# Allegro board 1010260-900-0012_PCB_Rev-a.brd (continued)
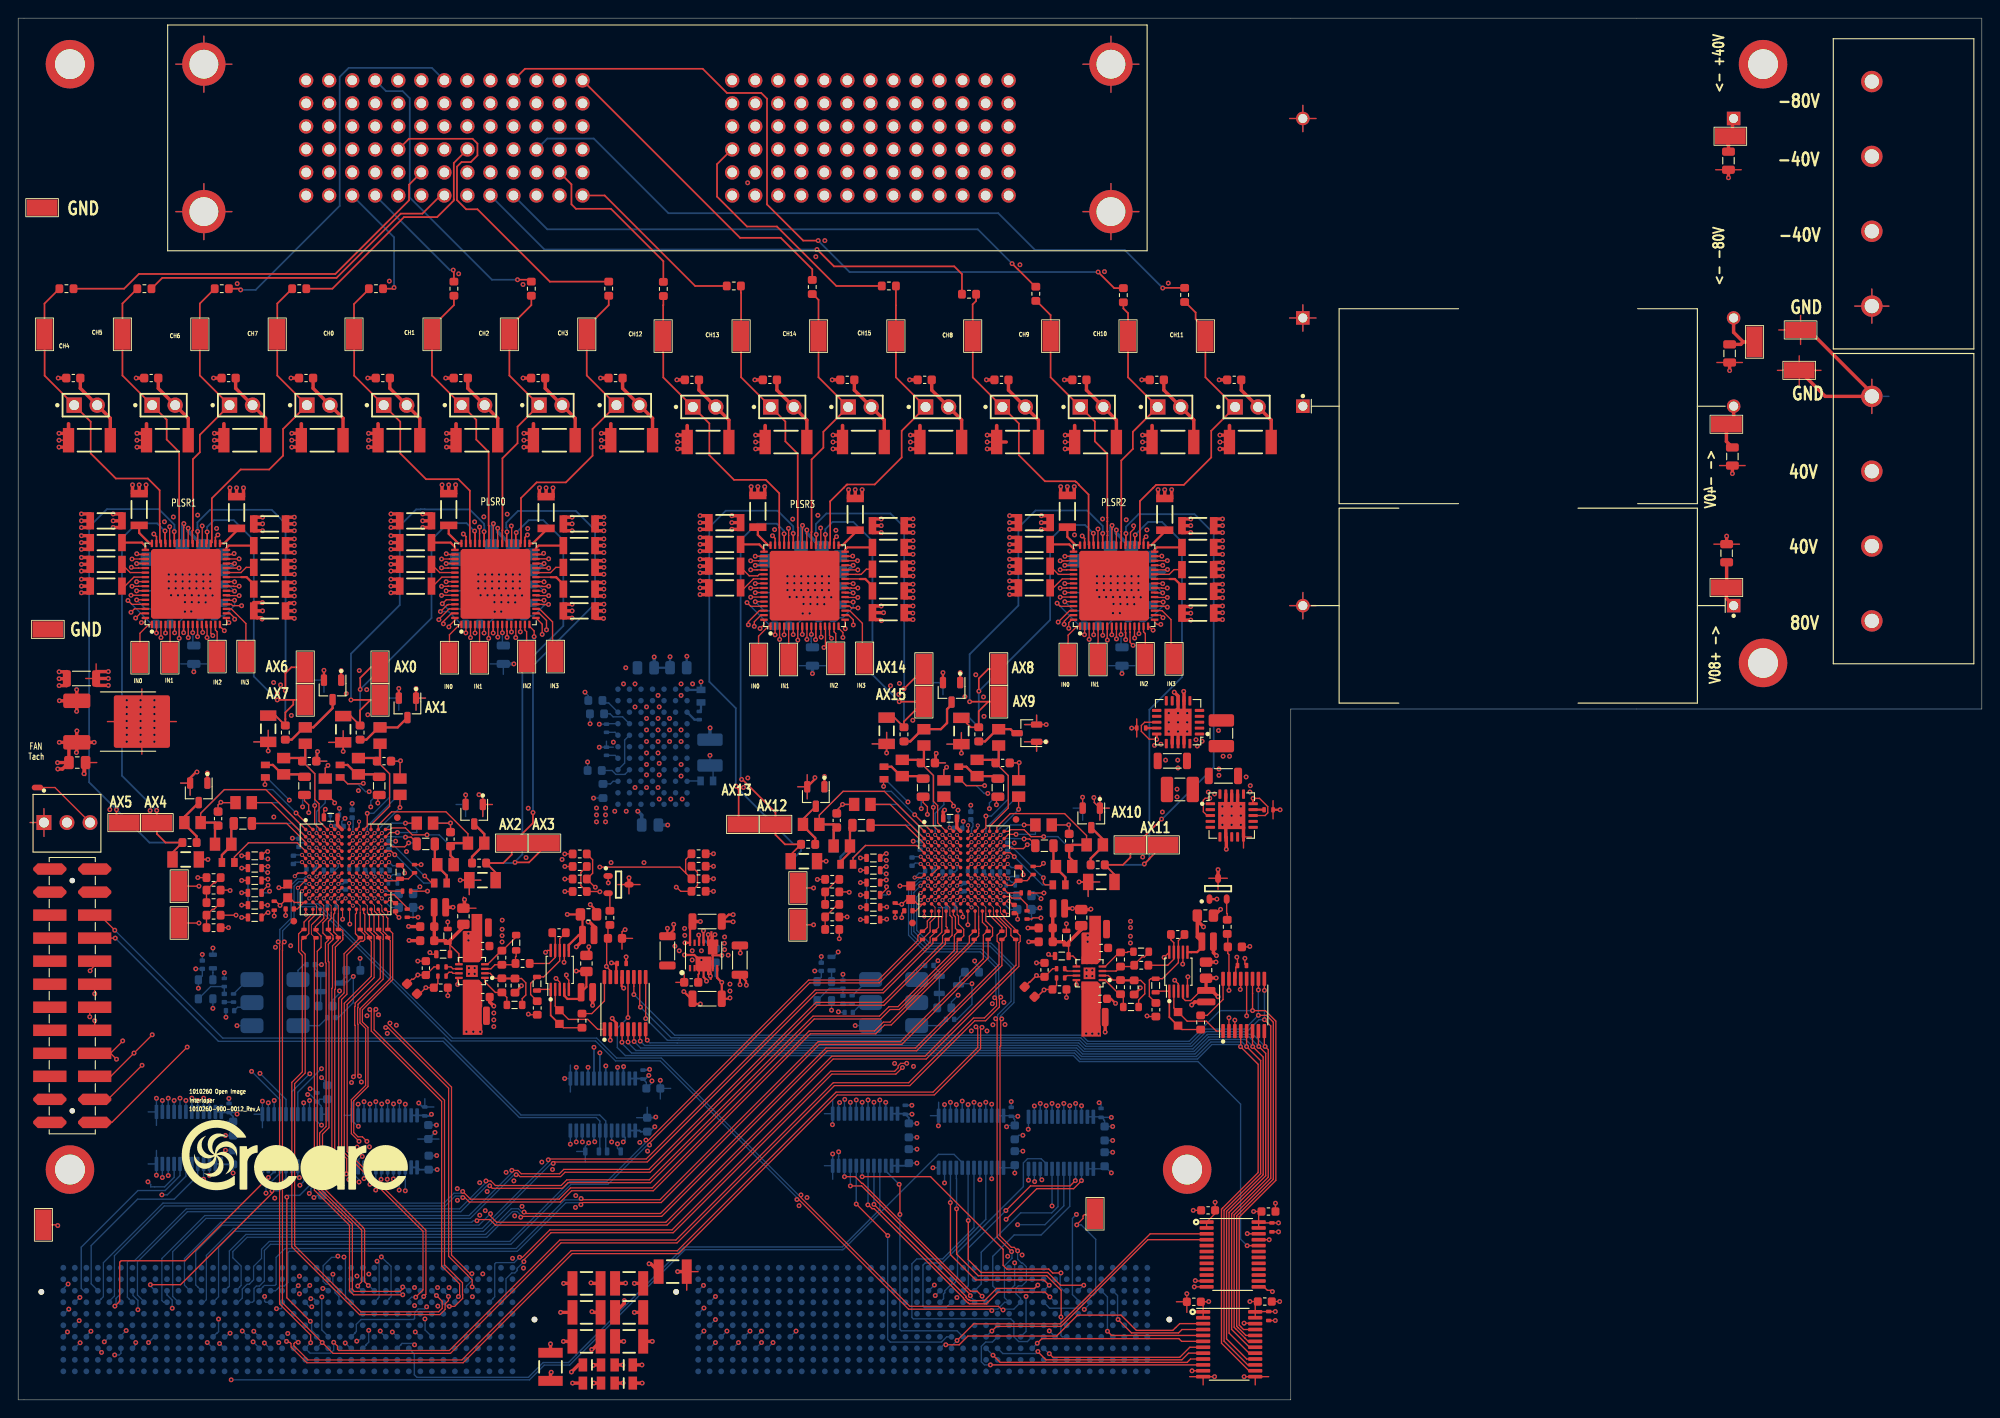
[diagram p0: board, top side]
## Nets (continued)

## Via types
v1: diameter 0.546, hole 0.254, TOP to BOTTOM, 1573 vias
v2: diameter 0.457, hole 0.254, TOP to BOTTOM, 212 vias

## Routing (per net, layer and track width the routed paths; a pad name or vN(x,y) marks a point on that pad's centre or on a via; arc(x,y) is an arc through that point)
1.8V: length 51.8
  TOP w0.152: U2.2 U2.1 130.67,10.56 C9.2 131.26,10.82 v1(131.28,10.85) ; R140.2 110.83,58.26 v1(110.83,57.92) ; R123.1 v1(88.13,57.41) ; v1(42.61,58.11) 42.61,58.46 R61.2 ; U10.G11 v2(40.11,57.71) ; U23.G4 v2(101.92,57.51) ; U23.G11 v2(108.32,57.51) ; v1(19.81,57.61) 19.82,57.6 R44.1 ; U1.2 U1.1 131.99,20.55 C7.2 v1(131.99,21.79) ; U10.G4 v2(33.71,57.71) ; E2.2 v1(97.23,56.69) ; E1.2 29.33,56.49 v1(28.75,56.49)
  TOP w0.381: C5.1 v1(60.15,12.85) ; v1(69.57,15.01) 69.76,15.01 C6.1 ; C21.1 v1(58.7,6.17) ; C22.1 v1(67.95,12.85)
  BOTTOM w0.152: v1(6.81,11.3) 6.27,10.77 6.26,10.77 J3.G39 ; J2.F40 v1(75.62,10.13) ; C126.2 108.27,57.56 v2(108.32,57.51) 108.75,57.09 108.76,57.09 108.95,56.89 C124.1 ; C68.2 40.06,57.76 v2(40.11,57.71) 40.53,57.29 40.63,57.29 40.83,57.09 C67.1 ; C69.2 33.71,57.71 v2(33.71,57.71) ; v2(101.92,57.51) 101.92,57.51 C125.2 ; J2.E39 v1(76.89,8.86) ; v1(5.51,12.78) 4.98,12.25 4.98,12.04 J3.H40 ; J2.H40 v1(75.57,12.62) ; U5.2 U5.1 109.59,25.6 109.88,25.89 C279.2 v1(109.9,25.02) ; v1(5.59,10.01) 5.08,9.5 4.99,9.5 J3.F40 ; U7.1 U7.2 33.53,25.67 C25.2 34,24.09 34.37,23.72 v1(34.42,23.72) ; v1(6.73,8.74) 6.25,8.26 6.25,8.23 J3.E39 ; J2.G39 v1(76.89,11.4) ; v1(120.55,25.04) 120.54,25.04 120.05,25.52 120.05,25.54 119.82,25.77 C13.2 119.78,25.77 119.49,25.48 U3.1 U3.2
  BOTTOM w0.203: v1(46.2,25.4) 46.19,25.39 C29.2 44.24,25.39 U8.1 U8.2 ; v1(70.21,30.12) 69.66,29.58 C284.2 68.65,29.58 68.53,29.7 U9.1 U9.2 ; v1(99.1,26.11) C15.2 98.19,26.11 97.9,25.82 U4.1 U4.2 ; v1(23.7,25.02) C23.2 22.45,25.98 U6.1 U6.2
1.8VA: length 29.6
  TOP w0.152: 33.23,58.98 33.23,58.83 U10.G2 ; 33.23,58.98 U10.F3 ; 33.23,58.98 v2(32.91,59.31) ; U23.F10 v2(107.52,59.11) ; U10.F12 v2(40.91,59.31) ; U20.1 65.06,57.04 v1(65.07,57.02) ; U23.F1 v2(99.52,59.11) ; U10.F8 v2(37.71,59.31) ; U23.G2 101.45,58.63 101.45,58.79 ; 101.45,58.79 v2(101.12,59.11) ; 101.45,58.79 U23.F3 ; U41.3 131.1,64.45 130.68,64.87 130.68,66.15 130.89,66.36 v1(131.39,66.36) ; U10.F5 v2(34.51,59.31) ; U23.F12 v2(109.12,59.11) ; U23.G9 v2(106.72,57.51) ; U10.F10 v2(39.31,59.31) ; U10.G9 v2(38.51,57.71) ; U10.F1 v2(31.31,59.31) ; U23.F5 v2(102.72,59.11) ; U23.F8 v2(105.92,59.11)
  TOP w0.254: U33.1 v1(132.18,55.23)
  L5 - POWER w0.152: v2(38.51,57.71) 38.51,58.51 v2(39.31,59.31) ; v2(105.92,59.11) 106.72,58.31 ; 106.72,58.31 v2(107.52,59.11) ; 106.72,58.31 v2(106.72,57.51)
  BOTTOM w0.152: C77.2 30.55,59.31 v2(31.31,59.31) ; C134.2 101.12,58.54 v2(101.12,59.11) ; v2(40.91,59.31) 41.3,58.92 C73.1 ; v2(38.51,57.71) 38.51,58.19 C74.2 ; C76.2 32.91,58.74 v2(32.91,59.31) ; C132.2 98.62,58.91 98.92,59.21 99.43,59.21 v2(99.52,59.11) ; C135.2 106.72,58 v2(106.72,57.51) ; v2(109.12,59.11) 109.52,58.72 C131.1 ; v2(105.92,59.11) 105.54,58.73 105.54,58.43 C133.2 ; C75.2 37.33,58.63 37.33,58.93 v2(37.71,59.31)
  vias: v1(131.24,67.04) v1(131.92,66.83)
3.3V: length 85
  TOP w0.152: U2.24 136.44,9.74 C10.1 v1(138.62,9.74) ; U2.24 136.41,10.56 C12.1 v1(135.82,10.85) ; U2.24 U2.23 ; v1(134.38,48.82) 134.46,48.75 C266.2 134.27,47.72 134.27,46.54 U34.14 ; U41.13 137.5,64.45 137.79,64.74 137.79,65.43 136.88,66.35 v1(136.18,66.35) ; v1(125.54,72.85) 125.52,72.87 124.71,72.87 123.85,73.74 123.85,74.37 124.22,74.74 U44.13 ; v1(138.98,19.52) C8.1 136.88,19.52 U1.24 ; U1.24 U1.23 ; U1.24 136.79,20.47 C11.1 v1(136.23,20.78) ; U37.10 53.38,84.62 v1(53.4,84.61) ; v1(87.47,84.43) U39.10 ; U38.10 121.6,84.43 v1(121.61,84.41) ; v1(19.25,84.62) U36.10
  TOP w0.254: U21.14 65.95,48.03 C265.2 65.48,48.13 v1(65.42,48.2) ; U44.15 v1(125.54,72.85) ; U41.15 v1(136.18,66.35)
  TOP w0.381: C19.1 v1(69.93,6.45) ; C20.1 v1(67.95,9.65) ; C3.1 v1(59.82,9.65) ; C4.1 v1(60.12,6.45)
  BOTTOM w0.152: J2.D38 v1(78.16,7.59) ; C26.1 33.43,32.39 U7.23 U7.24 ; C26.1 32.96,32.92 32.2,33.68 v1(31.93,33.68) ; C26.1 33.25,33.16 C28.1 ; J2.D40 v1(75.62,7.59) ; v1(53.4,84.61) 53.4,83.31 C150.2 ; J3.C39 6.25,5.69 6.25,5.72 v1(6.83,6.3) ; J2.D36 v1(80.7,7.59) ; v1(19.87,45.4) Y1.4 20.31,46.76 C83.2 v1(19.58,47.54) ; v1(121.61,84.41) 121.61,83.11 C252.2 ; v1(90.42,49.4) 89.89,48.86 R145.1 ; 109.6,31.28 109.8,31.08 109.8,30.99 109.9,30.89 C283.1 109.14,30.27 v1(108.99,30.12) ; 109.6,31.28 v1(110.23,31.28) ; 109.6,31.28 C280.1 109.44,31.34 U5.24 U5.23 ; J3.D38 7.52,6.96 7.52,7.07 v1(8.03,7.57) ; C191.2 87.47,83.13 87.47,83.64 87.45,83.65 87.45,84.05 87.47,84.06 v1(87.47,84.43) ; U3.23 U3.24 119.35,31.22 C14.1 119.51,31.16 ; v1(87.84,47.31) C142.2 88.56,46.6 Y2.4 ; J3.D32 15.01,6.96 v1(14.38,6.32) ; J3.D40 4.98,6.96 4.98,7.04 v1(5.44,7.49) ; 119.51,31.16 119.7,30.96 119.7,30.87 119.8,30.77 C281.1 v1(120.69,30.15) ; 119.51,31.16 v1(120.55,31.16) ; v1(69.89,35.18) 69.89,34.97 C287.1 69.27,35.01 C285.1 ; R67.1 v1(21.48,49.83) ; v1(9.5,6.4) 10.05,6.96 J3.D36 ; J2.C39 v1(76.89,6.32) ; v1(19.25,84.62) 19.27,84.61 19.27,83.31 C172.2 ; J2.D32 v1(85.78,7.59)
  BOTTOM w0.203: C16.1 97.76,31.56 U4.24 U4.23 ; C16.1 98.21,31.11 C282.1 v1(99.1,30.49) ; C16.1 98.55,31.5 v1(98.56,31.51) ; v1(22.81,30.43) 23.07,30.69 C27.1 23.71,31.25 C24.1 ; v1(69.55,35.79) 69.14,35.38 C285.1 68.83,35.44 U9.24 U9.23 ; v1(45.57,31.5) 45.49,31.5 45.39,31.39 45.38,31.39 45.3,31.31 C30.1 44.78,31.38 U8.24 U8.23 ; C24.1 22.47,31.7 U6.24 U6.23 ; C24.1 23.96,31.7 24.13,31.52 v1(24.14,31.52) ; C286.1 v1(46.13,30.31)
  vias: v1(125.3,72.19) v1(126.01,72.31) v1(126.52,70.56) v1(135.41,68.71) v1(135.86,67.74) v1(135.82,67.04)
3VA: length 18.9
  TOP w0.152: U23.E10 v2(107.52,59.91) ; U23.E9 v2(106.72,59.91) ; U23.E11 v2(108.32,59.91) ; U10.E10 v2(39.31,60.11) ; U23.E3 v2(101.12,59.91) ; U23.E4 v2(101.92,59.91) ; U23.E2 v2(100.32,59.91) ; U23.J6 v2(103.52,55.91) ; U10.E2 v2(32.11,60.11) ; U10.E3 v2(32.91,60.11) ; U10.J6 v2(35.31,56.11) ; U23.K6 v2(103.52,55.11) ; U10.K6 v2(35.31,55.31) ; U10.E9 v2(38.51,60.11) ; U10.E4 v2(33.71,60.11) ; U10.E11 v2(40.11,60.11)
  BOTTOM w0.152: C78.1 35.09,55.09 v2(35.31,55.31) ; v2(103.52,55.91) 104.14,55.91 C141.2 ; v1(36.83,65.79) C63.2 ; v2(32.11,60.11) 31.23,60.99 C80.2 ; v2(100.32,59.91) 100.29,59.91 99.51,60.69 C139.2 ; C140.2 109.06,60.56 108.85,60.36 108.77,60.36 v2(108.32,59.91) ; v2(40.11,60.11) 40.76,60.76 C81.2 ; v2(103.52,55.11) 103.37,54.96 C138.1 ; C79.2 35.49,56.29 v2(35.31,56.11) ; v1(105.05,65.59) C121.2
  vias: v1(129.88,72.81) v1(130.02,72.11) v1(130.56,72.64) v1(132.36,73.83)
5V: length 43.2
  TOP w0.152: v1(115.41,88.03) 115.43,88.05 U38.60 ; U37.60 47.21,88.25 46.78,87.81 v1(46.77,87.81) ; U37.21 57.16,88.19 v1(57.99,88.19) ; U39.60 81.3,88.05 v1(81.28,88.03) ; U36.21 23.02,88.19 v1(23.86,88.19) ; U39.21 91.24,87.99 v1(92.08,87.99) ; U36.60 13.08,88.25 v1(13.07,88.23)
  TOP w0.178: v1(126.26,87.99) 126.21,88.05 U38.21
  TOP w0.381: v1(4.34,70.28) 4.35,70.29 C229.1 ; 5.98,72.52 5.6,72.14 C229.1 ; 5.98,72.52 v1(4.54,72.52) ; 5.98,72.52 U42.3 ; C229.1 4.89,69.58 v1(4.37,69.58) ; v1(6.48,73.79) 6.47,73.78 U42.3 ; U42.3 v1(8.38,72.52) ; U42.3 6.47,71.44 v1(6.43,71.4)
  BOTTOM w0.152: v1(13.07,88.23) 14.07,87.23 C147.2 ; R162.1 56.84,86.46 57.99,87.61 v1(57.99,88.19) ; v1(115.41,88.03) 116.41,87.03 C204.2 ; R161.1 22.71,86.46 23.86,87.61 v1(23.86,88.19) ; v1(81.28,88.03) 82.28,87.03 C185.2 ; C151.2 47.37,87.23 46.78,87.81 v1(46.77,87.81) ; v1(92.08,87.99) 92.08,87.42 90.93,86.27 R165.1 ; v1(126.26,87.99) 126.26,87.58 124.95,86.27 R166.1
5VA: length 22.4
  TOP w0.152: v1(60.45,46.86) 60.45,46.56 60.72,46.29 U22.5 ; U35.5 128.94,46.54 128.98,46.58 v1(128.98,46.66) ; 73.44,46.99 C239.1 72.53,46.05 ; U22.10 58.37,49.58 v1(58.16,49.36) ; U35.10 v1(126.37,48.81)
  TOP w0.178: U11.12 116.69,45.8 v1(116.69,45.8) ; U19.12 48.48,46.42 48.48,46.35 48.46,46.34 v1(48.46,45.82)
  TOP w0.254: U35.6 129.36,49.38 129.37,49.39 130.01,49.39 130.53,49.91 C274.1 ; v1(60.55,53.54) C136.1 62.23,53.31 C243.1 61.83,51.28 60.72,50.17 U22.6
  TOP w0.381: C273.1 130.02,52.86 ; 130.02,52.86 v1(130.71,52.17) ; 130.02,52.86 130.02,51.06 C274.1 ; v1(61.54,49.96) 62.23,50.65 C243.1
  vias: v1(49.66,51.44) v1(49.66,50.67) v1(72.42,50.04) v1(72.9,49.53) v1(117.94,51.23) v1(117.93,50.53)
10V: length 19.8
  TOP w0.152: v1(126.21,89.01) 125.36,89.01 U38.23 ; U36.23 23.01,89.21 v1(23.86,89.21) ; U37.23 57.14,89.21 v1(57.99,89.21) ; U39.23 91.23,89.01 v1(92.08,89.01)
  TOP w0.254: v1(75.04,51.27) 75.09,51.22 U43.12 ; U43.10 76.09,51.31 v1(76.09,51.32) ; v1(73.54,50.42) U43.14 74.09,52.49 C234.1
  TOP w0.381: C234.1 v1(75.23,52.76)
  BOTTOM w0.152: C251.2 125.54,89.68 v1(126.21,89.01) ; C190.2 91.35,89.74 v1(92.08,89.01) ; v1(57.99,89.21) 57.26,89.93 C152.2 ; C171.2 23.13,89.93 v1(23.86,89.21)
  BOTTOM w0.254: v1(75.3,79.2) R192.2 73.84,78.31 U40.A1 ; C225.1 73.72,82 v1(73.74,82.02)
  vias: v1(73.1,78.97) v1(73.1,77.7) v1(73.49,51.99) v1(73.51,51.23) v1(74.37,78.97)
12V: length 22.2
  TOP w0.381: v1(6.45,75.95) 6.47,75.96 U42.1 ; C228.1 5.34,79.54 v1(4.52,79.54) ; C18.1 v1(68.81,1.85) ; v1(61.01,3.07) 61.79,3.85 C2.1 ; C1.1 v1(61.14,1.85) ; v1(6.45,78.33) 6.45,78.3 6.47,78.28 U42.1 ; v1(4.52,80.3) 5.34,80.3 5.37,80.33 ; v1(4.52,78.78) 5.34,78.78 5.37,78.8 ; U42.1 4.56,77.1 v1(4.55,77.11) ; C17.1 v1(68.78,3.85)
  L5 - POWER w0.152: J23.2 5.38,64.96 ; J23.2 5.38,62.4 ; J23.2 4.1,63.68 ; J23.2 6.67,63.68
  BOTTOM w0.152: J3.C35 11.33,5.14 11.15,4.95 v1(10.64,4.95) ; J2.C37 v1(79.43,6.32) ; J2.C35 v1(81.97,6.32) ; J3.C37 8.79,5.68 8.79,5.63 v1(9.19,5.23)
  BOTTOM w0.381: C223.1 68.76,64.49 v1(68.33,64.92)
  vias: v1(63.77,65.28) v1(63.77,64.52) v1(63.77,63.75) v1(64.77,65.28) v1(64.77,64.52) v1(64.77,63.75) v1(65.79,64.92) v1(66.75,78.97) v1(67.01,80.75) v1(67.06,64.92) v1(68.02,78.97)
40V: length 82.2
  TOP w0.178: U39.34 89.97,94.93 v1(90.24,95.21) ; v1(49.09,95.5) 49.38,95.21 U37.47 ; v1(124.37,95.21) 124.1,94.93 U38.34 ; v1(22.03,95.4) 21.75,95.13 U36.34 ; v1(56.16,95.4) 55.88,95.13 U37.34 ; v1(14.96,95.5) 15.25,95.21 U36.47 ; v1(83.18,95.31) 83.47,95.02 U39.47 ; v1(117.33,95.28) 117.6,95.02 U38.47
  TOP w0.381: v1(6.98,96.22) 7.95,96.22 C149.1 ; C158.2 48.24,99.95 v1(48.24,100.92) ; C158.2 46.74,99.95 v1(46.74,100.92) ; C158.2 v1(47.48,100.92) ; v1(93.07,100.39) 93.07,99.42 C250.2 ; v1(75.2,96.76) C187.1 ; C187.1 76.16,97.52 v1(75.2,97.52) ; C187.1 76.16,96.02 v1(75.2,96.02) ; v1(41.11,96.95) C154.1 ; C154.1 42.08,97.71 v1(41.11,97.71) ; C154.1 42.08,96.22 v1(41.11,96.22) ; v1(127.2,100.39) 127.2,99.42 C189.2 ; C174.2 12.61,99.95 v1(12.61,100.92) ; C174.2 v1(13.35,100.92) ; C174.2 14.11,99.95 v1(14.11,100.92) ; C250.2 91.57,99.42 v1(91.57,100.39) ; C250.2 v1(92.3,100.39) ; v1(6.98,97.71) 7.95,97.71 C149.1 ; C193.2 114.96,99.76 v1(114.96,100.72) ; C193.2 v1(115.69,100.72) ; C193.2 116.46,99.76 v1(116.46,100.72) ; v1(24.09,100.59) C164.2 ; C164.2 24.85,99.62 v1(24.85,100.59) ; C164.2 23.35,99.62 v1(23.35,100.59) ; v1(109.33,97.52) 110.29,97.52 C206.1 ; C206.1 110.29,96.02 v1(109.33,96.02) ; C206.1 v1(109.33,96.76) ; v1(82.33,100.72) 82.33,99.76 C254.2 ; v1(125.7,100.39) 125.7,99.42 C189.2 ; C149.1 v1(6.98,96.95) ; R205.2 188.59,138.48 188.52,138.55 188.52,139.09 TP61.1 189.04,139.61 189.04,141.28 189.09,141.33 C246.1 ; C254.2 80.83,99.76 v1(80.83,100.72) ; C254.2 v1(81.56,100.72) ; v1(58.22,100.59) C156.2 ; C156.2 57.48,99.62 v1(57.48,100.59) ; C156.2 58.98,99.62 v1(58.98,100.59) ; C189.2 v1(126.43,100.39)
  L6 - POWER w0.152: 11.46,99.95 11.3,99.95 11.25,100 ; 189.16,140.12 C246.1 ; C246.1 187.95,141.33 ; C246.1 190.37,141.33 ; C246.1 189.16,142.54 ; J21.3 206.05,102.43 ; J21.3 202.76,102.43 ; J21.3 204.4,100.78 ; J21.3 204.4,104.07 ; 202.76,94.17 J21.2 ; J21.2 204.4,95.82 ; J21.2 206.05,94.17
80V: length 88.4
  TOP w0.152: U38.25 126.18,90.05 v1(126.21,90.03) ; v1(92.08,90.03) 92.05,90.05 U39.25 ; U38.24 126.1,89.55 126.13,89.52 126.69,89.52 v1(126.72,89.55) ; 47.43,89.75 47.42,89.73 47.4,89.73 ; 47.43,89.75 U37.57 ; 47.43,89.75 47.42,89.75 47.4,89.73 ; v1(92.59,89.55) 92.55,89.59 92.35,89.59 92.29,89.52 91.87,89.52 91.84,89.55 U39.24 ; v1(46.69,89.73) 47.4,89.73 ; v1(47.2,90.24) 47.21,90.25 U37.56 ; U39.56 81.29,90.05 v1(81.28,90.04) ; U36.25 23.84,90.25 v1(23.86,90.22) ; U36.57 13.29,89.75 13.27,89.73 v1(12.56,89.73) ; U38.56 115.42,90.05 v1(115.41,90.04) ; v1(80.77,89.54) 81.49,89.54 81.5,89.55 U39.57 ; v1(57.99,90.22) 57.97,90.25 U37.25 ; U36.56 13.08,90.25 v1(13.07,90.24) ; v1(58.5,89.74) 58.22,89.74 58.19,89.71 57.78,89.71 57.75,89.75 U37.24 ; v1(24.37,89.74) 24.35,89.72 23.78,89.72 23.76,89.75 U36.24 ; v1(114.9,89.54) 115.62,89.54 115.63,89.55 U38.57
  TOP w0.381: C153.1 63.62,86.19 v1(64.55,86.19) ; C153.1 v1(64.59,87.02) ; C153.1 63.62,87.76 v1(64.59,87.76) ; C155.2 63.62,88.66 v1(64.59,88.66) ; C155.2 v1(64.59,89.42) ; C155.2 63.62,90.16 v1(64.59,90.16) ; C148.1 29.49,87.5 29.87,87.88 30.41,87.88 v1(30.43,87.86) ; C148.1 29.49,86.26 30.39,86.26 v1(30.45,86.19) ; C148.1 v1(30.45,87.02) ; v1(109.33,90.32) 110.29,90.32 C192.2 ; C162.2 29.49,88.66 v1(30.45,88.66) ; C162.2 v1(30.45,89.42) ; C162.2 29.49,90.16 v1(30.45,90.16) ; v1(132.8,88.46) 131.83,88.46 C188.2 131.83,89.22 ; v1(132.8,86.82) 131.83,86.82 ; 131.83,86.82 131.83,87.56 v1(132.8,87.56) ; 131.83,86.82 C205.1 131.83,86.06 v1(132.8,86.06) ; v1(6.98,89.75) C173.2 ; C173.2 7.95,90.52 v1(6.98,90.52) ; C173.2 7.95,89.02 v1(6.98,89.02) ; v1(98.67,89.96) 97.7,89.96 C248.2 ; C186.1 98.61,86.82 v1(98.65,86.78) ; C186.1 97.7,86.06 v1(98.67,86.06) ; C186.1 97.7,87.56 v1(98.67,87.56) ; C248.2 v1(98.67,89.22) ; C248.2 97.7,88.46 v1(98.67,88.46) ; C192.2 110.29,88.82 v1(109.33,88.82) ; C192.2 v1(109.33,89.56) ; C253.2 76.16,88.82 v1(75.2,88.82) ; C253.2 76.16,90.32 v1(75.2,90.32) ; C253.2 v1(75.2,89.56) ; C157.2 42.08,90.52 v1(41.11,90.52) ; C157.2 v1(41.11,89.75) ; C157.2 42.08,89.02 v1(41.11,89.02) ; C247.1 188.36,88.4 TP62.1 188.39,89.63 R204.2 ; v1(132.8,89.96) 131.83,89.96 131.83,89.22 ; 131.83,89.22 v1(132.8,89.22)
  L5 - POWER w0.152: J21.1 206.05,85.92 ; J21.1 204.4,87.56 ; J21.1 204.4,84.27 ; J21.1 202.76,85.92 ; 189.16,86.39 C247.1 ; C247.1 187.96,87.6 ; C247.1 190.37,87.6 ; C247.1 189.16,88.81 ; 13.07,91.23 13.07,91.24
-5VA: length 21.9
  TOP w0.152: 131.27,45.16 C276.1 130.43,45.16 129.31,44.04 128.7,44.04 128.44,44.31 U35.4
  TOP w0.254: U43.7 77.09,46.55 v1(77.59,46.05) C233.2 78.4,44.24 v1(78.49,44.33) ; U22.4 60.22,44.58 60.58,44.22 61.82,44.22 62.08,44.48 C278.1 62.66,45.54 C292.1 62.61,47.29 v1(61.54,47.29)
  TOP w0.381: 131.27,45.16 131.61,45.16 v1(132.31,44.46) ; v1(132.1,46.53) 131.01,46.53 C275.1 130.99,45.19 C276.1
  BOTTOM w0.178: 77.09,46.54 76.88,46.75 C232.2
  BOTTOM w0.254: 77.09,46.54 77.58,46.05 v1(77.59,46.05)
  vias: v1(49.43,40.6) v1(50.19,40.6) v1(50.95,40.6) v1(78.49,45.86) v1(78.49,45.09) v1(117.77,40.4) v1(118.44,40.39) v1(119.14,40.39)
-10V: length 22.6
  TOP w0.152: U39.58 81.3,89.05 v1(81.28,89.04) ; v1(47.2,89.23) 47.21,89.25 U37.58 ; U36.58 13.08,89.25 v1(13.07,89.23) ; U38.58 115.43,89.05 v1(115.41,89.04)
  TOP w0.254: 76.59,49.03 U43.9 76.59,51.07 v1(76.84,51.32) ; 76.59,49.03 U43.6 ; 76.59,49.03 v1(77.6,49.03) ; v1(79.63,49.28) 79.63,50.07 C236.2
  BOTTOM w0.152: v1(76.29,71.09) C226.2 76.63,69.63 R193.2 ; C198.2 83.37,89.04 v1(81.28,89.04) ; v1(115.41,89.04) 117.5,89.04 C259.2 ; v1(13.07,89.23) 15.15,89.23 C179.2 ; v1(47.2,89.23) 49.28,89.23 C160.2
  vias: v1(73.1,70.08) v1(73.1,68.81) v1(77.88,50.36) v1(77.9,51.06) v1(77.9,49.66) v1(78.3,49.05)
-40V: length 83.3
  TOP w0.178: v1(92.02,93.07) 92.01,93.05 U39.31 ; U39.50 v1(81.28,93.05) ; v1(47.21,93.32) 47.29,93.32 47.37,93.25 U37.50 ; v1(13.08,93.32) 13.16,93.32 13.23,93.25 U36.50 ; U38.50 115.48,93.05 115.47,93.04 v1(115.42,93.04) ; U37.31 57.71,93.25 57.84,93.37 v1(57.95,93.37) ; v1(126.11,93.07) 126.09,93.05 U38.31 ; U36.31 23.7,93.25 23.8,93.34 v1(23.81,93.34)
  TOP w0.381: C258.2 97.7,93.26 v1(98.67,93.26) ; C258.2 97.7,94.76 v1(98.67,94.76) ; C258.2 v1(98.67,94.02) ; v1(132.8,94.02) C197.2 ; C197.2 131.83,94.76 v1(132.8,94.76) ; C197.2 131.83,93.26 v1(132.8,93.26) ; v1(30.45,96.62) C184.2 ; C184.2 29.49,95.86 v1(30.45,95.86) ; C184.2 29.49,97.36 v1(30.45,97.36) ; v1(98.67,97.16) 97.7,97.16 C264.2 ; C264.2 97.7,95.66 v1(98.67,95.66) ; C264.2 v1(98.67,96.42) ; v1(64.59,94.22) C168.2 ; C168.2 63.62,94.96 v1(64.59,94.96) ; C168.2 63.62,93.46 v1(64.59,93.46) ; C170.2 63.62,95.86 v1(64.59,95.86) ; C170.2 v1(64.59,96.62) ; C170.2 63.62,97.36 v1(64.59,97.36) ; v1(132.8,95.66) 131.83,95.66 C203.2 ; C169.2 42.08,95.32 v1(41.11,95.32) ; C169.2 v1(41.11,94.55) ; C169.2 42.08,93.82 v1(41.11,93.82) ; v1(6.98,93.82) 7.95,93.82 C182.2 ; C262.2 76.16,93.62 v1(75.2,93.62) ; C262.2 76.16,95.12 v1(75.2,95.12) ; C262.2 v1(75.2,94.36) ; v1(109.33,94.36) C201.2 ; C201.2 110.29,95.12 v1(109.33,95.12) ; C201.2 110.29,93.62 v1(109.33,93.62) ; v1(132.8,96.42) C203.2 ; C203.2 131.83,97.16 v1(132.8,97.16) ; C245.2 189.16,108.4 TP60.1 188.36,105.71 R206.2 ; v1(6.98,94.55) C182.2 ; C182.2 7.95,95.32 v1(6.98,95.32) ; C178.2 29.49,94.96 v1(30.45,94.96) ; C178.2 29.49,93.46 v1(30.45,93.46) ; C178.2 v1(30.45,94.22)
  L6 - POWER w0.152: C245.2 190.37,109.6 ; C245.2 187.96,109.6 ; C245.2 189.16,108.39 ; C245.2 189.16,110.81 ; 202.76,128.89 J22.2 ; J22.2 204.4,127.25 ; J22.2 206.05,128.89 ; J22.2 204.4,130.54 ; 204.4,135.5 J22.3 ; J22.3 204.4,138.79 ; J22.3 202.76,137.15 ; J22.3 206.05,137.15
-80V: length 95.6
  TOP w0.152: v1(13.07,92.24) 13.07,92.25 U36.52 ; U38.28 125.32,91.54 126.6,91.54 126.64,91.59 v1(126.73,91.59) ; v1(24.36,91.75) 24.22,91.75 24.21,91.74 22.98,91.74 U36.28 ; U37.30 57.12,92.76 v1(58.5,92.76) ; v1(47.2,92.24) 47.2,92.25 U37.52 ; v1(114.9,91.56) 114.92,91.54 115.62,91.54 115.63,91.55 U38.53 ; U38.52 115.42,92.05 v1(115.41,92.05) ; v1(24.37,92.76) 24.35,92.75 U36.30 ; U39.51 81.64,92.55 81.64,92.55 v1(80.77,92.55) ; U39.53 81.5,91.55 81.49,91.54 80.78,91.54 v1(80.77,91.55) ; v1(81.28,92.05) 81.29,92.05 U39.52 ; U37.29 57.99,92.25 v1(57.99,92.24) ; v1(114.9,92.55) 115.21,92.55 115.22,92.54 115.65,92.54 115.66,92.55 U38.51 ; U37.51 47.56,92.75 47.56,92.74 v1(46.69,92.74) ; U39.29 92.07,92.05 v1(92.08,92.04) ; U39.28 91.19,91.54 v1(92.59,91.54) ; v1(12.48,91.83) 12.57,91.74 13.27,91.74 13.28,91.75 U36.53 ; U38.30 125.33,92.56 126.32,92.56 126.32,92.57 v1(126.72,92.57) ; U37.28 57.11,91.74 v1(58.5,91.74) ; U36.51 13.43,92.75 13.43,92.74 v1(12.56,92.74) ; U37.53 47.41,91.75 47.4,91.74 46.8,91.74 46.77,91.77 v1(46.68,91.77) ; v1(92.55,92.56) 92.54,92.55 U39.30 ; U38.29 125.32,92.04 v1(126.21,92.04) ; v1(23.86,92.24) 23.86,92.25 U36.29
  TOP w0.381: v1(30.45,91.06) 29.49,91.06 C181.2 ; v1(132.8,90.86) 131.83,90.86 C200.2 131.83,91.62 ; v1(41.11,92.92) 42.08,92.92 C165.2 ; v1(75.2,91.96) C257.2 ; C257.2 76.16,92.72 v1(75.2,92.72) ; C257.2 76.16,91.22 v1(75.2,91.22) ; v1(6.98,92.92) 7.95,92.92 C177.2 ; C177.2 7.95,91.42 v1(6.98,91.42) ; C177.2 v1(6.98,92.15) ; C165.2 42.08,91.42 v1(41.11,91.42) ; C165.2 v1(41.11,92.15) ; C166.2 63.62,91.06 v1(64.59,91.06) ; C166.2 v1(64.59,91.82) ; C166.2 63.62,92.56 v1(64.59,92.56) ; v1(30.45,92.56) 29.49,92.56 C181.2 ; C196.2 110.29,91.22 v1(109.33,91.22) ; C196.2 110.29,92.72 v1(109.33,92.72) ; C196.2 v1(109.33,91.96) ; v1(98.67,92.36) 97.7,92.36 C261.2 ; v1(30.45,91.82) C181.2 ; 131.83,91.62 131.83,92.36 v1(132.8,92.36) ; 131.83,91.62 v1(132.8,91.62) ; R207.2 189.95,116.42 190.22,116.69 ; C261.2 v1(98.67,91.62) ; C261.2 97.7,90.86 v1(98.67,90.86) ; 190.22,116.69 189.16,117.75 C249.2 ; 190.22,116.69 TP59.1
  L5 - POWER w0.152: C249.2 189.16,120.54 ; C249.2 187.95,119.33 ; C249.2 189.16,118.12 ; C249.2 190.37,119.33 ; J22.4 204.4,147.05 ; J22.4 206.05,145.4 ; J22.4 202.76,145.4 ; J22.4 204.4,143.76
  BOTTOM w0.381: v1(126.73,91.59) 126.64,91.59 126.32,91.26 C263.2 ; C260.2 116.39,92.54 115.89,92.05 v1(115.41,92.05) ; v1(57.99,92.24) 57.27,91.52 C163.2 ; v1(47.2,92.24) 47.8,92.24 C167.2 ; C183.2 22.75,91.82 23.44,91.82 v1(23.86,92.24) ; v1(92.08,92.04) 91.35,91.32 C199.2 ; v1(81.28,92.05) 81.89,92.05 C202.2 ; v1(13.07,92.24) 13.67,92.24 C180.2
GND_SIGNAL: length 1752.2
  TOP w0.152: 7.44,68.86 C229.2 8.67,70.29 ; U23.C5 v2(102.72,61.51) ; v1(20.29,96.39) 20.29,94.51 U36.37 ; 51.02,57.32 R24.1 49.75,55.72 ; C127.2 97.43,53.67 v1(97.43,53.19) ; 35.84,73.8 R16.1 34.24,72.52 ; C302.1 67.75,50.9 ; C302.1 66.59,51.62 66.83,51.87 v1(66.93,51.87) ; C302.1 66.59,49.71 ; C246.2 143.11,141.33 ; C246.2 141.66,142.78 ; C246.2 141.66,139.88 ; C246.2 140.21,141.33 ; C8.2 v1(138.98,18.53) ; U10.M1 31.71,53.56 v2(31.75,53.52) ; R157.1 v1(92.88,57.05) ; U2.13 v1(135.19,2.56) ; U2.13 137.89,2.56 ; U2.13 136.41,1.65 ; 193.99,113.55 TP57.1 ; TP57.1 198.79,113.55 ; TP57.1 196.39,111.95 ; TP57.1 196.39,115.15 ; 20.48,127.98 J4.MT2 ; J4.MT2 20.48,134.14 ; J4.MT2 23.56,131.06 ; J4.MT2 17.39,131.06 ; v1(42,53.21) 41.62,53.59 C71.2 ; 138.38,64.09 C231.2 138.38,66.08 ; U1.11 129.79,13.11 129.79,13.15 v1(129.8,13.15) ; 120.5,127.98 J4.MT4 ; J4.MT4 123.58,131.06 ; J4.MT4 120.5,134.14 ; J4.MT4 117.41,131.06 ; v1(110.21,53.02) 110.21,53.59 110.12,53.68 C123.2 ; U10.F6 v2(35.31,59.31) ; 120.5,144.24 J4.MT3 ; J4.MT3 123.58,147.32 ; J4.MT3 120.5,150.4 ; J4.MT3 117.41,147.32 ; U10.G5 v2(34.51,57.71) ; D4.2 112.3,75.53 ; D4.2 110.97,74.48 ; D4.2 v1(113.36,74.48) ; U23.C6 v2(103.52,61.51) ; v1(60.2,48.26) 60.22,48.28 U22.7 ; U10.D5 v2(34.51,60.91) ; U23.K1 v2(99.52,55.11) ; v2(40.92,53.69) U10.M12 ; C228.2 8.6,81.17 ; C228.2 8.6,78.8 ; C228.2 7.46,79.57 ; C228.2 8.59,79.58 8.59,80.22 8.7,80.33 ; U23.K4 v2(101.92,55.11) ; v1(24.65,57.29) 25.33,57.29 R78.1 ; v1(24.65,60.01) 25.33,60.01 R75.1 ; U39.9 86.98,85.32 v1(86.98,83.88) ; U23.D5 v2(102.72,60.71) ; v1(128.41,48.06) 128.44,48.09 U35.7 ; R79.1 33.72,64.98 v1(33.87,65.14) ; 110.97,72.58 D4.1 ; D4.1 112.3,71.54 ; D4.1 v1(113.36,72.58) ; v1(134.76,45.27) 134.81,45.32 U34.13 ; R172.1 v1(47.23,105.84) ; v1(54.38,96.39) 54.42,96.35 54.42,94.51 U37.37 ; U23.G10 v2(107.52,57.51) ; 74.97,14.15 C6.2 73.72,12.1 ; 51.24,64.34 D13.1 ; D13.1 52.29,65.67 ; D13.1 51.24,66.39 50.88,66.75 v1(50.82,66.75) ; U34.3 v1(134.16,41.88) ; R173.1 v1(55.77,105.84) ; U23.G6 v2(103.52,57.51) ; R179.1 v1(4.51,105.84) ; 44.92,77.4 D12.1 43.88,76.07 ; U23.D7 v2(105.12,60.71) ; U23.J4 v2(101.92,55.91) ; U10.K1 v2(32.09,56.1) ; U10.E6 v2(35.31,60.11) ; U23.H4 v2(101.92,56.71) ; R203.1 v1(98.39,105.65) ; v1(119.07,96.05) 119.07,94.29 U38.44 ; 129.18,2.56 U2.12 ; U2.12 130.67,1.65 ; U2.12 v1(131.93,2.56) ; 42.13,70.45 C42.1 ; 42.13,70.45 v1(42.16,70.48) ; 42.13,70.45 42.11,70.43 C38.1 ; v1(16.71,96.3) 16.71,94.5 U36.44 ; D5.2 117.38,66.46 v1(117.37,66.47) ; U23.F11 v2(108.32,59.11) ; J23.1 2.84,65.2 ; J23.1 2.84,62.15 ; J23.1 1.32,63.68 ; R152.1 v1(92.88,52.97) ; U23.C8 v2(105.92,61.51) ; R202.1 v1(89.86,105.65) ; U23.F9 v2(106.72,59.11) ; 187.62,103.05 R206.1 190.43,103.05 ; U42.4 13.65,78.41 ; U42.4 13.65,71.21 ; U42.4 17.44,74.81 ; U42.4 9.85,74.81 ; 204.4,118.75 J22.1 ; J22.1 202.52,120.64 ; J22.1 206.29,120.64 ; J22.1 204.4,122.52 ; v1(92.59,88.5) 91.23,88.5 U39.22 ; C108.1 v1(90.91,65.67) 90.26,65.03 C94.1 ; U23.E7 v2(105.12,59.91) ; U10.F2 v2(32.11,59.31) ; U10.H6 v2(35.31,56.91) ; v1(24.37,88.7) 23.02,88.7 U36.22 ; C65.1 v1(28.23,53.37) ; v1(102.38,69.78) 102.08,69.48 C120.1 ; 95.77,73.62 R114.1 94.17,72.35 ; 27.57,73.85 R35.1 25.98,72.57 ; v2(30.51,57.76) 30.85,58.11 U10.G1 ; R151.1 v1(92.88,54.33) ; U10.E1 v2(31.31,60.11) ; U23.F2 v2(100.32,59.11) ; C59.1 34.03,70.45 ; C59.1 32.88,71.63 ; C59.1 33.02,70.59 v1(33.02,71.5) ; C64.1 v1(44.07,48.39) ; R200.1 v1(72.72,105.65) ; U36.9 18.76,85.52 v1(18.76,84.07) ; 67.36,55.81 U20.3 ; U20.3 68.58,56.83 ; U20.3 66.13,56.83 ; U23.H6 v2(103.52,56.71) ; v1(118.62,66.43) 118.67,66.38 118.67,65.88 D5.1 ; 187.31,114.42 R207.1 190.13,114.42 ; R70.1 25.33,55.93 v1(24.65,55.93) ; R73.1 25.33,53.21 v1(24.65,53.21) ; C10.2 v1(138.62,8.75) ; C12.2 v1(139.11,10.85) ; 110.35,70.25 C100.1 ; 110.35,70.25 110.32,70.23 C96.1 ; 110.35,70.25 v1(110.38,70.29) ; v1(127.53,46.28) 127.94,45.87 U35.3 ; U23.G3 v2(101.12,57.51) ; C238.2 123.34,75.11 ; C238.2 122.8,74.11 v1(122.78,74.09) ; C238.2 123.34,73.11 ; U23.B8 v2(105.92,62.31) ; U23.E1 v2(99.52,59.91) ; U39.44 84.97,95.35 84.96,95.35 84.96,96.1 v1(84.94,96.12) ; U23.H3 v2(101.12,56.71) ; U23.H5 v2(102.72,56.71) ; R188.1 v1(115.45,105.65) ; U23.D6 v2(103.52,60.71) ; 50.49,54.23 C277.2 49.1,55.45 ; R187.1 v1(106.86,105.65) ; C117.1 101.09,71.44 ; C117.1 102.25,70.25 ; C117.1 101.24,70.4 v1(101.24,71.3) ; U10.B6 v2(35.31,62.51) ; R180.1 v1(13.1,105.84) ; v1(138.3,11.94) 138.16,12.08 137.75,12.08 137.37,12.46 U1.13 ; U10.D7 v2(36.91,60.91) ; U10.C6 v2(35.31,61.71) ; C247.2 143.11,87.6 ; C247.2 141.66,86.15 ; C247.2 140.22,87.6 ; C247.2 141.66,89.05 ; 128.87,9.66 C9.1 ; C9.1 127.73,10.82 ; C9.1 v1(128.87,11.71) ; U10.F4 v2(33.71,59.31) ; U23.F7 v2(105.12,59.11) ; R182.1 v1(30.17,105.84) ; v2(32.9,56.91) U10.H3 ; 20.48,144.24 J4.MT1 ; J4.MT1 20.48,150.4 ; J4.MT1 17.39,147.32 ; J4.MT1 23.56,147.32 ; U23.F4 v2(101.92,59.11) ; 135.99,62.09 U41.10 135.12,60.87 ; C11.2 v1(138.64,21.69) ; U10.J4 v2(33.71,56.11) ; 87.01,66.29 D7.2 ; D7.2 85.97,67.62 ; D7.2 87.01,68.95 ; v1(88.49,96.16) 88.51,96.14 88.51,94.31 U39.37 ; U39.59 80.79,88.55 v1(80.77,88.53) ; U37.59 46.7,88.75 v1(46.69,88.73) ; C130.1 v1(112.28,48.2) ; v1(123,96.4) 123.08,96.33 123.08,96.1 122.66,95.68 122.66,94.33 U38.37 ; U10.B5 v2(34.51,62.51) ; 117.99,55.52 R103.1 119.26,57.12 ; 194.15,118.01 TP58.1 ; TP58.1 196.55,119.61 ; TP58.1 196.55,116.41 ; R201.1 v1(81.32,105.65) ; 187.18,135.68 R205.1 190,135.68 ; 17.92,68.03 D15.2 18.96,66.7 ; v1(50.88,96.27) 50.88,95.97 50.88,95.97 50.88,95.55 50.88,95.55 U37.44 ; U10.H5 v2(34.51,56.91) ; U10.B8 v2(37.71,62.51) ; v2(99.92,53.33) U23.M1 ; U33.3 133.34,57.53 ; U33.3 131.29,57.53 ; U33.3 132.31,56.31 ; v2(98.85,57.61) 99.56,57.61 99.57,57.61 99.62,57.61 U23.G1 ; D5.1 119.28,66.6 ; D5.1 120.33,65.27 ; D5.1 119.28,63.94 ; U23.B5 v2(102.72,62.31) ; U10.F7 v2(36.91,59.31) ; U1.22 135.55,18.31 v1(135.53,18.34) ; U10.F9 v2(38.51,59.31) ; U38.9 121.11,85.32 v1(121.11,83.93) ; U37.9 52.89,85.52 v1(52.89,84.13) ; U2.22 135.71,8.41 135.66,8.46 v1(135.18,8.46) ; C109.1 115.89,63.38 v1(115.84,63.43) 115.82,63.41 C99.1 ; v1(135.27,48.7) 135.27,48.08 C266.1 ; C129.1 v1(115.6,44.38) ; U41.21 133.8,64.45 v1(132.79,65.46) ; v1(126.72,88.5) 125.36,88.5 U38.22 ; U10.G8 v2(37.71,57.71) ; U22.3 59.72,46.07 v1(59.31,46.48) ; v1(129.69,12.46) U1.12 ; v2(109.14,53.5) U23.M12 ; C70.1 v1(47.38,44.58) ; v1(12.97,6.32) 12.9,6.26 ; U10.G10 v2(39.31,57.71) ; 104.01,73.6 R95.1 102.41,72.32 ; v1(96.71,53.18) 96.71,53.8 C122.1 ; C62.1 33.86,69.68 v1(34.16,69.98) ; R189.1 v1(123.99,105.65) ; R72.1 25.33,54.57 v1(24.65,54.57) ; U23.E6 v2(103.52,59.91) ; U38.59 114.92,88.55 v1(114.9,88.53) ; U10.E7 v2(36.91,60.11) ; U10.C5 v2(34.51,61.71) ; U10.G3 v2(32.91,57.71) ; U10.C8 v2(37.71,61.71) ; U10.F11 v2(40.11,59.31) ; R45.1 v1(23.19,52.08) ; R147.1 v1(92.88,58.41) ; U10.D8 v2(37.71,60.91) ; U10.E12 v2(40.91,60.11) ; U10.K2 v2(32.11,55.31) ; 189.8,94.38 R204.1 186.98,94.38 ; U10.E5 v2(34.51,60.11) ; U23.K2 v2(100.32,55.11) ; U23.E8 v2(105.92,59.91) ; R190.1 v1(132.52,105.65) ; C303.1 135.76,49.96 v1(135.81,50.01) ; U10.E8 v2(37.71,60.11) ; v1(24.65,58.65) 25.33,58.65 R68.1 ; U10.G7 v2(36.91,57.71) ; C66.2 v1(29.49,53.42) ; R174.1 v1(64.3,105.84) ; C50.1 22.4,65.87 v1(22.35,65.91) 22.05,65.61 C36.1 ; U23.B6 v2(103.52,62.31) ; 204.4,112.57 J21.4 204.4,108.8 ; R154.1 v1(92.88,59.77) ; v1(113.62,49.14) 113.81,48.95 R136.1 ; U37.22 57.15,88.7 v1(58.5,88.7) ; C249.1 141.66,120.78 ; C249.1 140.21,119.33 ; C249.1 141.66,117.88 ; C249.1 143.11,119.33 ; U23.C7 v2(105.12,61.51) ; U10.G6 v2(35.31,57.71) ; v1(45.4,49.34) 45.59,49.15 R59.1 ; C51.1 v1(47.68,63.63) 47.62,63.63 47.61,63.61 C41.1 ; U23.G8 v2(105.92,57.51) ; U23.F6 v2(103.52,59.11) ; U2.11 v1(129.44,3.21) ; U23.D8 v2(105.92,60.71) ; R171.1 v1(38.64,105.84) ; U19.17 v1(49.71,47.62) ; U23.G7 v2(105.12,57.51) ; U10.D6 v2(35.31,60.91) ; U34.2 v1(133.51,42.14) ; U44.21 127.9,76.11 ; U23.E12 v2(109.12,59.91) ; C7.1 v1(129.58,20.9) ; v1(12.45,88.75) U36.59 ; R124.1 v1(90.55,50.86) ; U23.E5 v2(102.72,59.91) ; D13.2 v1(49.34,66.73) ; U10.H4 v2(33.71,56.91) ; R149.1 v1(92.88,55.69) ; U10.G12 v2(40.91,57.71) ; U10.C7 v2(36.91,61.71) ; U10.K4 v2(33.71,55.31) ; U23.G5 v2(102.72,57.51) ; U23.G12 v2(109.12,57.51)
  TOP w0.196: R95.1 v1(104.01,71.32) ; R16.1 v1(35.84,71.52) ; R114.1 v1(95.77,71.35) ; R86.1 v1(89.09,59.41) ; R103.1 v1(116.99,57.12) ; R35.1 v1(27.57,71.57) ; R7.1 v1(20.93,59.61) ; R24.1 v1(48.75,57.32)
  TOP w0.254: C231.2 v1(139.15,65.09) ; v1(62.93,49.97) 62.93,49.29 C292.2 ; D18.2 v1(33.72,80.47) ; v1(87.86,68.63) 87.86,68.47 D7.2 ; v1(63.09,54.63) 63.09,54.61 63.78,53.92 C136.2 ; D12.1 v1(43.88,78.46) ; v1(101.98,80.21) D10.2 ; v1(66.77,45.42) 66.77,45.42 66.55,45.64 66.55,46.59 U21.13 ; R211.2 123.74,45.38 v1(123.74,45.45) ; U21.3 65.95,41.58 65.51,42.02 v1(65.51,42.08) ; v1(78.84,52.73) 78.81,52.76 C234.2 78.34,53.52 v1(78.84,53.52) ; U43.4 75.59,48 74.88,48.7 74.88,48.75 74.55,49.07 v1(73.48,49.07) ; U43.4 75.59,46.63 75.9,46.31 v1(75.9,46.19) ; U43.4 U43.5 76.09,46.99 v1(76.33,46.74) ; D18.1 v1(35.62,80.44) ; U21.2 v1(65.3,39.67) ; D10.1 v1(103.88,80.21) ; 74.2,44.24 v1(73.41,45.03) ; 74.2,44.24 74.78,43.66 v1(75.23,43.66) ; 74.2,44.24 C233.1 ; D15.2 18.96,68.6 19.62,69.25 v1(19.72,69.25) ; v1(79.6,45.8) 79.58,45.82 C236.1 80.26,46.21 80.26,45.78 v1(80.3,45.74) ; D12.2 v1(41.98,78.46) ; v1(71.59,52.01) C240.2 72.29,51.84 v1(72.29,52.45) ; v1(121.01,43.74) 120.51,44.24 C267.2 ; v1(67.04,48.86) C265.1 ; v1(55.49,45.68) 55.42,45.61 55.42,45.55 R210.2 ; v1(88.91,68.76) D7.1 ; v1(20.86,69.14) D15.1